# Altium PCB PCB_v4.PcbDoc (part 5 of 7) (continued)
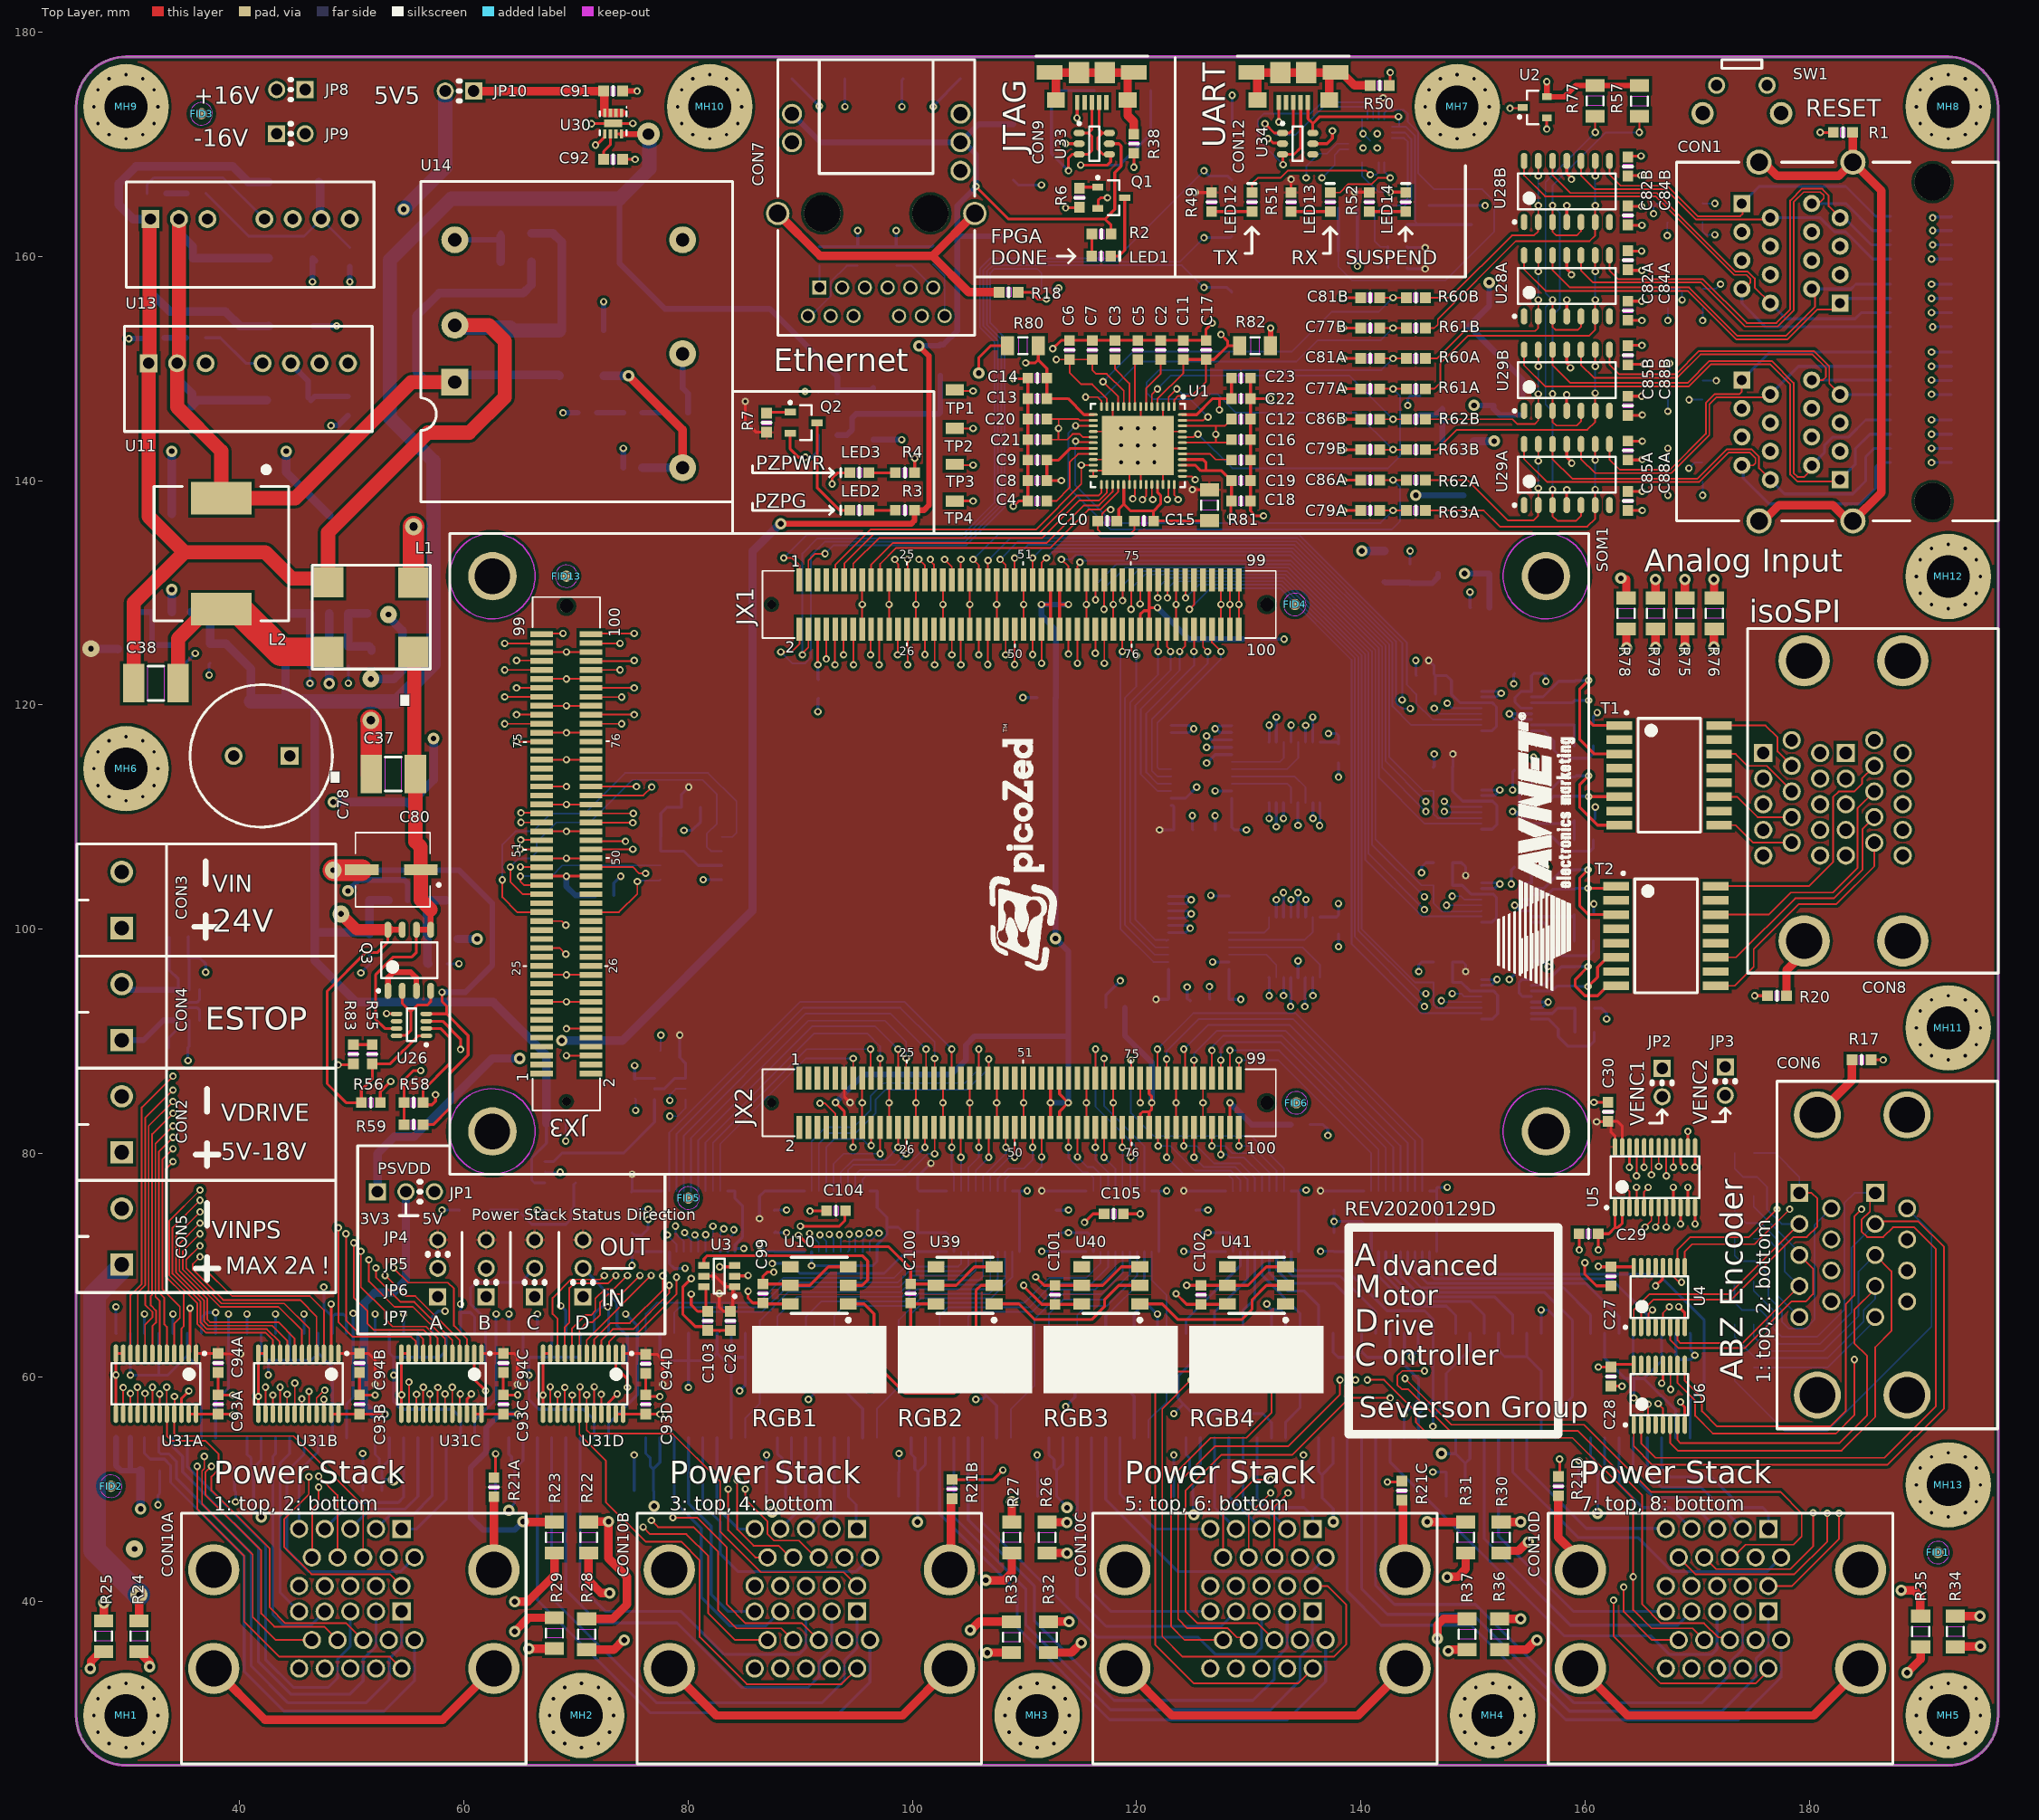
[diagram p0: Top Layer view]
## Nets (pads, with @x,y where several pads share a name; then routed paths per layer and width w, separated by ;. In a path a pad name is that pad's centre, name@x,y a point inside that pad or via, vN(x,y) a via of type N, cw(c..) or ccw(c..) an arc to the next point about the centre after c; other vN are vias at no path point) (continued)
LV_INV2_PWM5: SOM1.JX2-19 U24F.8 | length 27.3
  Top Layer w0.152: SOM1.JX2-19@97.118,86.696 v1(97.118,88.454)
  Bottom Layer w0.152: U24F.8@81.552,76.614 81.552,80.971 91.258,90.678 95.972,90.678 97.118,89.532 v1(97.118,88.454)
LV_INV2_PWM6: SOM1.JX2-35 U24F.3 | length 39.6
  Top Layer w0.152: v1(103.505,89.281) 103.505,86.709 SOM1.JX2-35@103.518,86.696
  Bottom Layer w0.152: U24F.3@78.302,76.614 78.302,81.804 90.006,93.508 99.278,93.508 v1(103.505,89.281)
LV_INV3_PWM1: SOM1.JX2-56 U24D.10 | length 8.3
  Top Layer w0.152: v1(111.518,79.665) SOM1.JX2-56@111.518,82.296
  Bottom Layer w0.152: U24D.10@108.252,76.614 108.269,76.632 108.269,77.643 108.76,78.133 110.871,78.133 111.518,78.78 v1(111.518,79.665)
LV_INV3_PWM2: SOM1.JX2-54 U24D.9 | length 7.8
  Top Layer w0.152: v1(110.718,80.518) SOM1.JX2-54@110.718,82.296
  Bottom Layer w0.152: U24D.9@107.602,76.614 107.602,77.683 108.544,78.625 109.933,78.625 110.718,79.411 v1(110.718,80.518)
LV_INV3_PWM3: SOM1.JX2-50 U24D.8 | length 6.9
  Top Layer w0.152: v1(109.118,79.629) SOM1.JX2-50@109.118,82.296
  Bottom Layer w0.152: U24D.8@106.952,76.614 106.952,77.937 108.644,79.629 v1(109.118,79.629)
LV_INV3_PWM4: SOM1.JX2-48 U24D.7 | length 6.5
  Top Layer w0.152: SOM1.JX2-48@108.318,82.296 108.318,80.531 v1(108.331,80.518)
  Bottom Layer w0.152: U24D.7@106.302,76.614 106.302,77.933 108.331,79.962 v1(108.331,80.518)
LV_INV3_PWM5: SOM1.JX2-44 U24D.6 | length 6.2
  Top Layer w0.152: SOM1.JX2-44@106.718,82.296 106.807,82.207 v1(106.807,79.629)
  Bottom Layer w0.152: U24D.6@105.652,76.614 105.652,78.474 v1(106.807,79.629)
LV_INV3_PWM6: SOM1.JX2-42 U24D.5 | length 6.1
  Top Layer w0.152: v1(105.918,80.518) SOM1.JX2-42@105.918,82.296
  Bottom Layer w0.152: U24D.5@105.002,76.614 105.002,78.727 105.918,79.643 v1(105.918,80.518)
LV_INV4_PWM1: SOM1.JX2-26 U24E.8 | length 10.1
  Top Layer w0.152: v1(99.441,79.949) 99.441,82.219 SOM1.JX2-26@99.518,82.296
  Bottom Layer w0.152: U24E.8@94.252,76.614 94.252,78.501 94.705,78.954 98.446,78.954 v1(99.441,79.949)
LV_INV4_PWM2: SOM1.JX2-30 U24E.9 | length 10.5
  Top Layer w0.152: v1(101.118,80.518) SOM1.JX2-30@101.118,82.296
  Bottom Layer w0.152: U24E.9@94.902,76.614 94.902,78.083 95.32,78.501 99.101,78.501 v1(101.118,80.518)
LV_INV4_PWM3: SOM1.JX2-32 U24E.10 | length 10.8
  Top Layer w0.152: SOM1.JX2-32@101.918,82.296 101.981,82.233 v1(101.981,79.949)
  Bottom Layer w0.152: U24E.10@95.552,76.614 95.552,77.667 95.863,77.978 99.408,77.978 101.379,79.949 v1(101.981,79.949)
LV_INV4_PWM4: SOM1.JX2-36 U24D.3 | length 5.8
  Top Layer w0.152: v1(103.505,80.518) 103.518,80.531 SOM1.JX2-36@103.518,82.296
  Bottom Layer w0.152: v1(103.505,80.518) 103.505,78.454 103.702,78.258 U24D.3@103.702,76.614
LV_INV4_PWM5: SOM1.JX2-38 U24D.4 | length 5.7
  Top Layer w0.152: v1(104.318,79.629) SOM1.JX2-38@104.318,82.296
  Bottom Layer w0.152: v1(104.318,79.629) 104.335,79.612 104.335,76.631 U24D.4@104.352,76.614
LV_INV4_PWM6: SOM1.JX2-24 U24E.7 | length 9.5
  Top Layer w0.152: v1(98.718,80.518) SOM1.JX2-24@98.718,82.296
  Bottom Layer w0.152: U24E.7@93.602,76.614 93.602,78.282 94.723,79.403 97.603,79.403 v1(98.718,80.518)
LV_INV5_PWM1: SOM1.JX2-88 U24B.6 | length 10.4
  Top Layer w0.152: v1(124.206,80.645) 124.206,82.184 SOM1.JX2-88@124.318,82.296
  Bottom Layer w0.152: v1(124.206,80.645) 125.349,80.645 126.899,79.096 129.236,79.096 130.544,77.788 U24B.6@130.544,76.614
LV_INV5_PWM2: SOM1.JX2-90 U24B.5 | length 9.3
  Top Layer w0.152: v1(125.118,79.629) SOM1.JX2-90@125.118,82.296
  Bottom Layer w0.152: v1(125.118,79.629) 125.986,78.761 128.809,78.761 129.894,77.676 U24B.5@129.894,76.614
LV_INV5_PWM3: SOM1.JX2-82 U24B.4 | length 11.2
  Top Layer w0.152: v1(121.918,80.645) SOM1.JX2-82@121.918,82.296
  Bottom Layer w0.152: v1(121.918,80.645) 123.005,80.645 125.212,78.438 128.41,78.438 129.244,77.605 U24B.4@129.244,76.614
LV_INV5_PWM4: SOM1.JX2-84 U24B.3 | length 10.4
  Top Layer w0.152: v1(122.682,79.629) 122.718,79.665 SOM1.JX2-84@122.718,82.296
  Bottom Layer w0.152: v1(122.682,79.629) 124.178,78.133 128.089,78.133 128.58,77.643 128.58,76.628 U24B.3@128.594,76.614
LV_INV5_PWM5: SOM1.JX2-69 U24C.10 | length 15.1
  Top Layer w0.152: v1(117.094,88.454) 117.118,88.43 SOM1.JX2-69@117.118,86.696
  Bottom Layer w0.152: v1(117.094,88.454) 117.094,84.22 120.698,80.616 U24C.10@120.698,76.614
LV_INV5_PWM6: SOM1.JX2-67 U24C.9 | length 16.8
  Top Layer w0.152: SOM1.JX2-67@116.318,86.696 116.332,86.71 v1(116.332,89.281)
  Bottom Layer w0.152: v1(116.332,89.281) 116.332,84.154 120.048,80.439 U24C.9@120.048,76.614
LV_INV6_PWM1: SOM1.JX2-64 U24C.4 | length 6.8
  Top Layer w0.152: v1(114.718,79.665) SOM1.JX2-64@114.718,82.296
  Bottom Layer w0.152: v1(114.718,79.665) 115.622,78.761 116.137,78.761 116.798,78.1 U24C.4@116.798,76.614
LV_INV6_PWM2: SOM1.JX2-68 U24C.5 | length 6.1
  Top Layer w0.152: v1@116.318,80.518 SOM1.JX2-68@116.318,82.296
  Bottom Layer w0.152: v1(116.318,80.518) 116.318,79.434 117.448,78.304 U24C.5@117.448,76.614
LV_INV6_PWM3: SOM1.JX2-70 U24C.6 | length 6.1
  Top Layer w0.152: v1(117.094,79.629) 117.094,82.272 SOM1.JX2-70@117.118,82.296
  Bottom Layer w0.152: v1(117.094,79.629) 118.098,78.625 U24C.6@118.098,76.614
LV_INV6_PWM4: SOM1.JX2-74 U24C.7 | length 5.7
  Top Layer w0.152: v1(118.718,80.518) SOM1.JX2-74@118.718,82.296
  Bottom Layer w0.152: v1(118.718,80.518) 118.733,80.503 118.733,76.629 U24C.7@118.748,76.614
LV_INV6_PWM5: SOM1.JX2-76 U24C.8 | length 5.7
  Top Layer w0.152: v1(119.485,79.629) 119.485,82.263 SOM1.JX2-76@119.518,82.296
  Bottom Layer w0.152: U24C.8@119.398,76.614 119.441,76.658 119.441,79.585 v1(119.485,79.629)
LV_INV6_PWM6: SOM1.JX2-62 U24C.3 | length 6.7
  Top Layer w0.152: v1@113.903,80.645 113.903,82.281 SOM1.JX2-62@113.918,82.296
  Bottom Layer w0.152: v1(113.919,80.518) 113.919,79.578 115.193,78.304 115.644,78.304 116.148,77.8 U24C.3@116.148,76.614
LV_INV7_PWM1: SOM1.JX2-81 U24A.10 | length 36.8
  Top Layer w0.152: v1(121.856,89.281) 121.856,86.758 SOM1.JX2-81@121.918,86.696
  Bottom Layer w0.152: v1(121.856,89.281) 125.051,92.476 134.198,92.476 145.479,81.195 U24A.10@145.479,76.614
LV_INV7_PWM2: SOM1.JX2-83 U24A.9 | length 34.8
  Top Layer w0.152: v1(122.682,88.391) 122.682,86.732 SOM1.JX2-83@122.718,86.696
  Bottom Layer w0.152: v1(122.682,88.391) 122.682,89.111 125.547,91.976 133.961,91.976 144.829,81.108 U24A.9@144.829,76.614
LV_INV7_PWM3: SOM1.JX2-87 U24A.8 | length 32.2
  Top Layer w0.152: v1(124.206,89.281) 124.318,89.169 SOM1.JX2-87@124.318,86.696
  Bottom Layer w0.152: v1(124.206,89.281) 126.365,91.44 133.665,91.44 144.179,80.926 U24A.8@144.179,76.614
LV_INV7_PWM4: SOM1.JX2-89 U24A.7 | length 29.8
  Top Layer w0.152: SOM1.JX2-89@125.118,86.696 v1(125.118,88.306)
  Bottom Layer w0.152: v1(125.118,88.306) 125.118,88.898 127.152,90.932 133.254,90.932 143.529,80.657 U24A.7@143.529,76.614
LV_INV7_PWM5: SOM1.JX2-93 U24A.6 | length 27.4
  Top Layer w0.152: SOM1.JX2-93@126.718,86.696 v1(126.718,89.169)
  Bottom Layer w0.152: v1(126.718,89.169) 126.718,89.468 127.725,90.475 132.955,90.475 142.879,80.55 U24A.6@142.879,76.614
LV_INV7_PWM6: SOM1.JX2-95 U24A.5 | length 25.4
  Top Layer w0.152: v1(127.508,88.306) 127.508,86.706 SOM1.JX2-95@127.518,86.696
  Bottom Layer w0.152: v1(127.508,88.306) 127.508,89.368 128.056,89.916 132.808,89.916 142.229,80.495 U24A.5@142.229,76.614
LV_INV8_PWM1: SOM1.JX2-94 U24B.8 | length 9.4
  Top Layer w0.152: v1(126.718,80.645) SOM1.JX2-94@126.718,82.296
  Bottom Layer w0.152: v1(126.718,80.645) 127.914,80.645 128.561,79.998 130.097,79.998 131.844,78.252 U24B.8@131.844,76.614
LV_INV8_PWM2: SOM1.JX2-100 U24B.9 | length 7.8
  Top Layer w0.152: v1(129.118,80.645) SOM1.JX2-100@129.118,82.296
  Bottom Layer w0.152: v1(129.118,80.645) 130.283,80.645 132.494,78.434 U24B.9@132.494,76.614
LV_INV8_PWM3: SOM1.JX2-75 U24B.10 | length 24.1
  Top Layer w0.152: v1(119.485,88.306) 119.518,88.273 SOM1.JX2-75@119.518,86.696
  Bottom Layer w0.152: v1(119.485,88.306) 119.485,83.582 121.533,81.534 130.224,81.534 133.144,78.614 U24B.10@133.144,76.614
LV_INV8_PWM4: SOM1.JX2-99 U24A.3 | length 20.2
  Top Layer w0.152: SOM1.JX2-99@129.118,86.696 v1(129.118,88.306)
  Bottom Layer w0.152: v1(129.118,88.306) 132.622,88.306 140.929,79.998 U24A.3@140.929,76.614
LV_INV8_PWM5: SOM1.JX2-97 U24A.4 | length 23.1
  Top Layer w0.152: SOM1.JX2-97@128.318,86.696 v1(128.318,89.169)
  Bottom Layer w0.152: v1(128.318,89.169) 132.718,89.169 141.579,80.308 U24A.4@141.579,76.614
LV_INV8_PWM6: SOM1.JX2-96 U24B.7 | length 8.3
  Top Layer w0.152: v1(127.508,79.883) 127.508,82.286 SOM1.JX2-96@127.518,82.296
  Bottom Layer w0.152: v1(127.508,79.883) 128.038,79.883 128.292,79.629 129.565,79.629 131.194,78 U24B.7@131.194,76.614
LV_INV_STS_A1: SOM1.JX1-30 U31A.3 | length 116
  Top Layer w0.152: v1(34.036,79.248) 33.39,78.602 33.39,68.993 34.995,67.388 34.995,64.565 34.795,64.365 U31A.3@34.795,62.136 ; v1(101.118,124.486) SOM1.JX1-30@101.118,126.746
  Int2 (Sign) w0.152: v1(34.036,79.248) 43.18,79.248 55.523,91.591 55.523,92.9 58.127,95.504 59.934,95.504 62.738,98.308 62.748,98.308 63.002,98.562 90.561,98.562 101.118,109.119 v1(101.118,124.486)
LV_INV_STS_A2: SOM1.JX1-26 U31A.4 | length 115.4
  Top Layer w0.152: v1(34.036,80.391) 33.085,79.44 33.085,67.876 34.653,66.308 34.653,65.29 34.145,64.781 U31A.4@34.145,62.136 ; SOM1.JX1-26@99.518,126.746 99.568,126.696 v1(99.568,123.571)
  Int2 (Sign) w0.152: v1(34.036,80.391) 43.434,80.391 54.816,91.773 54.816,93.237 59.369,97.79 61.417,97.79 62.738,99.111 89.459,99.111 99.568,109.22 v1(99.568,123.571)
LV_INV_STS_A3: SOM1.JX1-24 U31A.5 | length 114.9
  Top Layer w0.152: U31A.5@33.495,62.136 33.495,64.513 33.274,64.733 33.274,67.08 32.78,67.573 32.78,80.151 v1(34.036,81.407) ; v1(98.679,124.46) 98.679,126.707 SOM1.JX1-24@98.718,126.746
  Int2 (Sign) w0.152: v1(34.036,81.407) 42.037,81.407 47.498,86.868 48.923,86.868 54.054,91.999 54.054,93.457 61.054,100.457 67.437,100.457 68.326,99.568 69.936,99.568 70.825,100.457 89.129,100.457 98.679,110.007 v1(98.679,124.46)
LV_INV_STS_A4: SOM1.JX1-20 U31A.6 | length 112.3
  Top Layer w0.152: U31A.6@32.845,62.136 32.845,66.837 32.475,67.207 32.475,80.862 v1(34.036,82.423) ; v1(97.028,123.571) 97.028,126.656 SOM1.JX1-20@97.118,126.746
  Int2 (Sign) w0.152: v1(34.036,82.423) 42.154,82.423 60.823,101.092 88.1,101.092 97.028,110.02 v1(97.028,123.571)
LV_INV_STS_A5: SOM1.JX1-18 U31A.7 | length 111.9
  Top Layer w0.152: U31A.7@32.195,62.136 32.195,64.563 32.52,64.888 32.52,65.965 32.058,66.427 32.058,67.263 32.171,67.376 32.171,81.701 v1(34.036,83.566) ; v1(96.266,124.46) 96.266,126.694 SOM1.JX1-18@96.318,126.746
  Int2 (Sign) w0.152: v1(34.036,83.566) 42.383,83.566 60.544,101.727 86.937,101.727 96.266,111.056 v1(96.266,124.46)
LV_INV_STS_A6: SOM1.JX1-14 U31A.8 | length 111.2
  Top Layer w0.152: U31A.8@31.545,62.136 31.545,64.71 32.195,65.36 32.195,65.849 31.559,66.485 31.559,67.467 31.866,67.773 31.866,82.44 v1(34.036,84.61) ; SOM1.JX1-14@94.718,126.746 94.742,126.722 v1(94.742,123.571)
  Int2 (Sign) w0.152: v1(34.036,84.61) 42.446,84.61 60.198,102.362 85.76,102.362 94.742,111.344 v1(94.742,123.571)
LV_INV_STS_A7: SOM1.JX1-12 U31A.9 | length 110.2
  Top Layer w0.152: U31A.9@30.895,62.136 30.895,67.547 31.561,68.214 31.561,83.155 v1(34.036,85.63) ; v1(93.853,124.46) 93.853,126.681 SOM1.JX1-12@93.918,126.746
  Int2 (Sign) w0.152: v1(34.036,85.63) 42.529,85.63 60.023,103.124 84.745,103.124 93.853,112.232 v1(93.853,124.46)
LV_INV_STS_A8: SOM1.JX1-10 U31A.10 | length 109.7
  Top Layer w0.152: U31A.10@30.245,62.136 30.245,67.329 31.256,68.34 31.256,84.088 v1(34.036,86.868) ; v1(93.091,123.571) 93.091,126.719 SOM1.JX1-10@93.118,126.746
  Int2 (Sign) w0.152: v1(34.036,86.868) 42.76,86.868 59.547,103.654 83.402,103.654 93.091,113.344 v1(93.091,123.571)
LV_INV_STS_B1: SOM1.JX3-99 U31B.3 | length 91.6
  Top Layer w0.152: v1(36.845,69.723) 39.305,67.263 46.243,67.263 47.495,66.012 U31B.3@47.495,62.136 ; SOM1.JX3-99@66.932,126.308 66.989,126.365 v1(68.834,126.365)
  Int3 (Sign) w0.152: v1(36.845,69.723) 36.845,70.119 37.846,71.12 37.846,80.487 58.718,101.359 58.718,122.555 62.528,126.365 v1(68.834,126.365)
LV_INV_STS_B2: SOM1.JX1-50 U31B.4 | length 125.7
  Top Layer w0.152: v1(36.449,70.763) 35.814,70.128 35.814,69.609 38.52,66.904 45.381,66.904 46.845,65.44 U31B.4@46.845,62.136 ; v1(109.118,123.595) SOM1.JX1-50@109.118,126.746
  Int2 (Sign) w0.152: v1(36.449,70.763) 44.093,70.763 56.515,83.185 57.912,83.185 66.889,92.162 95.591,92.162 109.118,105.689 v1(109.118,123.595)
LV_INV_STS_B3: SOM1.JX1-48 U31B.5 | length 124.8
  Top Layer w0.152: v1(36.449,71.732) 35.219,70.502 35.219,69.75 38.37,66.599 43.957,66.599 46.195,64.361 U31B.5@46.195,62.136 ; v1(108.318,124.46) SOM1.JX1-48@108.318,126.746
  Int2 (Sign) w0.152: v1(36.449,71.732) 44.046,71.732 56.134,83.82 57.785,83.82 58.344,84.379 58.344,85.184 65.869,92.71 94.361,92.71 108.318,106.667 v1(108.318,124.46)
LV_INV_STS_B4: SOM1.JX1-44 U31B.6 | length 123
  Top Layer w0.152: v1(36.449,72.81) 34.914,71.274 34.914,69.624 38.244,66.294 43.453,66.294 45.545,64.203 U31B.6@45.545,62.136 ; v1(106.718,123.595) SOM1.JX1-44@106.718,126.746
  Int2 (Sign) w0.152: v1(36.449,72.81) 44.036,72.81 65.293,94.067 93.94,94.067 106.718,106.845 v1(106.718,123.595)
LV_INV_STS_B5: SOM1.JX1-42 U31B.7 | length 122.9
  Top Layer w0.152: v1(36.449,73.763) 34.609,71.923 34.609,69.498 37.109,66.997 37.109,65.149 37.336,64.922 43.435,64.922 44.895,63.463 U31B.7@44.895,62.136 ; v1(105.918,124.46) SOM1.JX1-42@105.918,126.746
  Int2 (Sign) w0.152: v1(36.449,73.763) 43.311,73.763 64.163,94.615 92.964,94.615 105.918,107.569 v1(105.918,124.46)
LV_INV_STS_B6: SOM1.JX1-38 U31B.8 | length 121.6
  Top Layer w0.152: v1(36.449,74.763) 34.304,72.618 34.304,69.372 36.805,66.871 36.805,65.023 37.21,64.618 42.875,64.618 44.245,63.248 U31B.8@44.245,62.136 ; v1(104.318,123.571) SOM1.JX1-38@104.318,126.746
  Int2 (Sign) w0.152: v1(36.449,74.763) 42.711,74.763 63.182,95.234 91.932,95.234 104.318,107.62 v1(104.318,123.571)
LV_INV_STS_B7: SOM1.JX1-36 U31B.9 | length 120.7
  Top Layer w0.152: v1(36.449,75.799) 33.999,73.349 33.999,69.245 36.5,66.745 36.5,64.896 37.083,64.313 42.417,64.313 43.565,63.165 43.565,62.165 U31B.9@43.595,62.136 ; v1(103.518,124.46) SOM1.JX1-36@103.518,126.746
  Int2 (Sign) w0.152: v1(36.449,75.799) 41.854,75.799 62.651,96.596 91.77,96.596 103.518,108.344 v1(103.518,124.46)
LV_INV_STS_B8: SOM1.JX1-32 U31B.10 | length 120.1
  Top Layer w0.152: v1(36.449,76.708) 33.695,73.954 33.695,69.119 36.195,66.619 36.195,64.77 36.957,64.008 42.291,64.008 42.945,63.354 U31B.10@42.945,62.136 ; SOM1.JX1-32@101.918,126.746 101.981,126.683 v1(101.981,123.571)
  Int2 (Sign) w0.152: v1(36.449,76.708) 41.505,76.708 56.203,91.406 56.203,92.231 57.296,93.324 58.628,93.324 62.459,97.155 90.678,97.155 101.981,108.458 v1(101.981,123.571)
LV_INV_STS_C1: SOM1.JX3-75 U31C.3 | length 67.5
  Top Layer w0.152: v1(53.721,69.763) 55.031,68.453 58.56,68.453 59.097,67.916 59.097,64.601 60.255,63.443 U31C.3@60.255,62.136 ; v1(64.687,116.713) 66.927,116.713 SOM1.JX3-75@66.932,116.708
  Int3 (Sign) w0.152: v1(53.721,69.763) 53.721,73.214 56.134,75.627 56.134,79.715 62.528,86.109 62.528,95.927 63.416,96.816 63.416,100.681 62.738,101.359 62.738,116.116 63.335,116.713 v1(64.687,116.713)
LV_INV_STS_C2: SOM1.JX3-79 U31C.4 | length 67.7
  Top Layer w0.152: v1(52.959,69.088) 54.784,67.263 55.66,67.263 59.605,63.318 U31C.4@59.605,62.136 ; v1(63.627,118.308) SOM1.JX3-79@66.932,118.308
  Int3 (Sign) w0.152: v1(52.959,69.088) 52.959,73.406 53.825,74.272 53.825,78.257 61.974,86.406 61.974,96.264 62.865,97.155 62.865,100.412 62.23,101.047 62.23,116.911 v1(63.627,118.308)
LV_INV_STS_C3: SOM1.JX3-81 U31C.5 | length 69.3
  Top Layer w0.152: v1(52.146,69.763) 52.146,68.944 54.358,66.732 55.569,66.732 58.955,63.346 U31C.5@58.955,62.136 ; v1(64.687,119.126) 66.914,119.126 SOM1.JX3-81@66.932,119.108
  Int3 (Sign) w0.152: v1(52.146,69.763) 52.146,73.435 53.34,74.629 53.34,78.613 61.435,86.708 61.435,96.616 62.357,97.538 62.357,100.076 61.722,100.711 61.722,117.602 63.246,119.126 v1(64.687,119.126)
LV_INV_STS_C4: SOM1.JX3-85 U31C.6 | length 75.8
  Top Layer w0.152: v1(51.514,70.493) 51.514,68.567 53.787,66.294 55.442,66.294 58.305,63.431 U31C.6@58.305,62.136 ; v1(63.627,120.708) SOM1.JX3-85@66.932,120.708
  Int3 (Sign) w0.152: v1(51.514,70.493) 51.514,75.049 49.149,77.414 49.149,79.637 52.697,83.185 57.064,83.185 60.844,86.965 60.844,96.912 61.9,97.968 61.9,99.72 61.163,100.457 61.163,118.244 v1(63.627,120.708)
LV_INV_STS_C5: SOM1.JX3-87 U31C.7 | length 77.5
  Top Layer w0.152: v1(50.8,71.247) 50.8,68.066 52.959,65.907 52.959,65.211 53.629,64.541 56.617,64.541 57.655,63.503 U31C.7@57.655,62.136 ; v1(64.687,121.508) SOM1.JX3-87@66.932,121.508
  Int3 (Sign) w0.152: v1(50.8,71.247) 50.8,74.848 48.548,77.1 48.548,79.917 52.451,83.82 56.979,83.82 60.35,87.191 60.35,99.753 60.681,100.083 60.681,119.184 63.005,121.508 v1(64.687,121.508)
LV_INV_STS_C6: SOM1.JX3-91 U31C.8 | length 79.5
  Top Layer w0.152: v1(50.165,72.009) 50.165,67.132 51.387,65.91 51.387,64.781 51.932,64.237 56.365,64.237 57.005,63.597 U31C.8@57.005,62.136 ; v1(63.627,123.108) SOM1.JX3-91@66.932,123.108
  Int3 (Sign) w0.152: v1(50.165,72.009) 50.165,74.652 45.133,79.684 45.133,85.402 60.198,100.467 60.198,119.679 v1(63.627,123.108)
LV_INV_STS_C7: SOM1.JX3-93 U31C.9 | length 81.4
  Top Layer w0.152: v1(49.473,72.81) 49.473,65.102 50.644,63.932 55.829,63.932 56.355,63.406 U31C.9@56.355,62.136 ; v1(64.687,123.952) 66.888,123.952 SOM1.JX3-93@66.932,123.908
  Int3 (Sign) w0.152: v1(49.473,72.81) 49.473,74.479 44.577,79.375 44.577,85.76 59.69,100.873 59.69,120.822 62.82,123.952 v1(64.687,123.952)
LV_INV_STS_C8: SOM1.JX3-97 U31C.10 | length 82.6
  Top Layer w0.152: v1(48.795,73.349) 48.795,64.922 50.09,63.627 55.295,63.627 55.705,63.217 U31C.10@55.705,62.136 ; v1(63.627,125.476) 66.9,125.476 SOM1.JX3-97@66.932,125.508
  Int3 (Sign) w0.152: v1(48.795,73.349) 44.047,78.096 44.047,85.938 59.182,101.073 59.182,121.031 v1(63.627,125.476)
LV_INV_STS_D1: SOM1.JX3-80 U31D.3 | length 65.2
  Top Layer w0.152: SOM1.JX3-80@71.332,118.308 v1(74.06,118.308) ; U31D.3@72.895,62.136 72.933,62.174 72.933,63.165 73.7,63.932 75.463,63.932 78.952,67.42 v1(78.952,68.941)
  Int3 (Sign) w0.152: v1(74.06,118.308) 73.152,117.4 73.152,76.026 78.896,70.283 78.896,68.997 v1(78.952,68.941)
LV_INV_STS_D2: SOM1.JX3-82 U31D.4 | length 68.5
  Top Layer w0.152: SOM1.JX3-82@71.332,119.108 71.35,119.126 v1(75.184,119.126) ; U31D.4@72.245,62.136 72.245,63.287 73.27,64.313 75.082,64.313 78.308,67.539 v1(78.308,68.212)
  Int3 (Sign) w0.152: v1(75.184,119.126) 73.977,119.126 72.677,117.825 72.677,75.914 78.308,70.282 v1(78.308,68.212)
LV_INV_STS_D3: SOM1.JX3-86 U31D.5 | length 67.9
  Top Layer w0.152: SOM1.JX3-86@71.332,120.708 71.35,120.691 v1(74.062,120.691) ; U31D.5@71.595,62.136 71.595,63.357 73.084,64.846 74.79,64.846 77.724,67.78 v1(77.724,69.061)
  Int3 (Sign) w0.152: v1(74.062,120.691) 72.136,118.765 72.136,75.787 77.724,70.199 v1(77.724,69.061)
LV_INV_STS_D4: SOM1.JX3-88 U31D.6 | length 69.9
  Top Layer w0.152: U31D.6@70.945,62.136 70.945,63.341 v1(76.692,69.088) ; SOM1.JX3-88@71.332,121.508 v1(75.184,121.508)
  Int3 (Sign) w0.152: v1(75.184,121.508) 73.96,121.508 71.619,119.167 71.619,75.613 76.692,70.54 v1(76.692,69.088)
LV_INV_STS_D5: SOM1.JX3-92 U31D.7 | length 69.8
  Top Layer w0.152: U31D.7@70.295,62.136 70.295,64.216 71.001,64.922 71.481,64.922 72.143,65.584 72.143,66.695 72.885,67.437 74.041,67.437 v1(75.692,69.088) ; SOM1.JX3-92@71.332,123.108 v1(73.914,123.108)
  Int3 (Sign) w0.152: v1(73.914,123.108) 71.151,120.345 71.151,75.33 75.692,70.789 v1(75.692,69.088)
LV_INV_STS_D6: SOM1.JX3-94 U31D.8 | length 72.8
  Top Layer w0.152: U31D.8@69.645,62.136 69.645,64.375 70.829,65.56 71.332,65.56 71.711,65.939 71.711,67.027 72.544,67.86 73.341,67.86 v1(74.57,69.088) ; SOM1.JX3-94@71.332,123.908 75.14,123.908 v1(75.184,123.952)
  Int3 (Sign) w0.152: v1(74.57,69.088) 73.914,69.744 73.914,71.899 70.612,75.201 70.612,120.709 73.855,123.952 v1(75.184,123.952)
LV_INV_STS_D7: SOM1.JX3-98 U31D.9 | length 72.6
  Top Layer w0.152: U31D.9@68.995,62.136 68.995,64.501 69.401,64.908 69.401,67.983 69.803,68.385 72.841,68.385 v1(73.545,69.088) ; SOM1.JX3-98@71.332,125.508 71.364,125.476 v1(73.914,125.476)
  Int3 (Sign) w0.152: v1(73.545,69.088) 73.152,69.481 73.152,71.886 70.155,74.883 70.155,121.717 v1(73.914,125.476)
LV_INV_STS_D8: SOM1.JX3-100 U31D.10 | length 75.9
  Top Layer w0.152: U31D.10@68.345,62.136 68.345,65.211 67.895,65.661 67.895,67.096 69.538,68.74 72.169,68.74 v1(72.517,69.088) ; SOM1.JX3-100@71.332,126.308 71.389,126.365 v1(75.184,126.365)
  Int3 (Sign) w0.152: v1(72.517,69.088) 72.517,71.846 69.767,74.596 69.767,122.296 73.836,126.365 v1(75.184,126.365)
LV_SPI1_IN: SOM1.JX1-88 U31E.3 | length 17.9
  Top Layer w0.152: v1(123.84,124.749) 124.318,125.227 SOM1.JX1-88@124.318,126.746
  Bottom Layer w0.152: U31E.3@123.077,112.315 121.86,112.315 120.355,113.82 120.355,119.6 123.84,123.085 v1(123.84,124.749)
LV_SPI1_MISO: R9A.1 SOM1.JX1-41 U9A.3 | length 57.8
  Top Layer w0.152: v1(105.41,132.969) 105.918,132.461 SOM1.JX1-41@105.918,131.146
  Bottom Layer w0.152: v1(105.41,132.969) 107.62,135.179 134.468,135.179 144.106,125.54 144.106,121.783 R9A.1@144.946,120.943 144.946,120.132 146.384,118.694 U9A.3@150.771,118.694
LV_SPI1_MOSI: SOM1.JX1-49 U9A.2 | length 54.1
  Top Layer w0.152: SOM1.JX1-49@109.118,131.146 v1(109.118,133.094)
  Bottom Layer w0.152: v1(109.118,133.094) 110.288,134.264 134.089,134.264 142.821,125.532 142.821,119.862 144.489,118.193 U9A.2@150.771,118.193
LV_SPI1_NSS: SOM1.JX1-43 U9A.5 | length 55.9
  Top Layer w0.152: SOM1.JX1-43@106.718,131.146 106.739,131.167 v1(106.739,132.882)
  Int3 (Sign) w0.152: v1(143.685,120.429) 147.29,120.429 147.577,120.142 v1(147.701,120.142)
  Bottom Layer w0.152: v1(106.739,132.882) 108.731,134.874 134.341,134.874 143.685,125.531 v1(143.685,120.429) ; v1(147.701,120.142) 148.149,119.694 U9A.5@150.771,119.694
LV_SPI1_OUT: SOM1.JX1-74 U31F.3 | length 32.3
  Top Layer w0.152: v1(118.718,124.749) SOM1.JX1-74@118.718,126.746
  Bottom Layer w0.152: v1(118.718,124.749) 118.546,124.577 118.546,100.018 121.498,97.066 U31F.3@122.852,97.066
LV_SPI1_SCLK: SOM1.JX1-47 U9A.4 | length 55.2
  Top Layer w0.152: v1(107.823,132.969) 108.318,132.474 SOM1.JX1-47@108.318,131.146
  Int3 (Sign) w0.152: v1(144.42,119.662) 144.435,119.678 146.534,119.678 v1(146.55,119.694)
  Bottom Layer w0.152: v1(107.823,132.969) 109.423,134.569 134.215,134.569 143.126,125.658 143.126,120.198 143.661,119.662 v1(144.42,119.662) ; v1(146.55,119.694) 147.05,119.194 U9A.4@150.771,119.194
LV_SPI2_IN: SOM1.JX1-90 U31E.4 | length 17.2
  Top Layer w0.152: v1(125.118,124.749) SOM1.JX1-90@125.118,126.746
  Bottom Layer w0.152: U31E.4@123.077,112.965 121.86,112.965 120.855,113.97 120.855,119.237 125.118,123.5 v1(125.118,124.749)
LV_SPI2_MISO: R9B.1 SOM1.JX1-53 U9B.3 | length 59.4
  Top Layer w0.152: SOM1.JX1-53@110.718,131.146 v1(110.718,133.096)
  Bottom Layer w0.152: v1(110.718,133.096) 111.582,133.96 133.963,133.96 142.516,125.406 142.516,115.356 145.557,112.315 R9B.1@146.47,112.315 146.47,110.285 146.855,109.9 U9B.3@150.771,109.9
LV_SPI2_MOSI: SOM1.JX1-63 U9B.2 | length 54
  Top Layer w0.152: SOM1.JX1-63@114.718,131.146 114.718,132.374 114.935,132.591 v1(114.935,132.715)
  Bottom Layer w0.152: v1(114.935,132.715) 115.059,132.715 115.189,132.845 133.784,132.845 141.602,125.027 141.602,113.49 145.692,109.4 U9B.2@150.771,109.4
LV_SPI2_NSS: SOM1.JX1-55 U9B.5 | length 56.6
  Top Layer w0.152: SOM1.JX1-55@111.518,131.146 111.518,132.664 v1(111.95,133.096)
  Int3 (Sign) w0.152: v1(145.796,111.379) v1(147.447,111.379)
  Bottom Layer w0.152: v1(111.95,133.096) 112.509,133.655 133.836,133.655 142.212,125.28 142.212,114.963 v1(145.796,111.379) ; v1(147.447,111.379) 147.926,110.9 U9B.5@150.771,110.9
LV_SPI2_OUT: SOM1.JX1-76 U31F.4 | length 32
  Top Layer w0.152: SOM1.JX1-76@119.518,126.746 119.518,124.862 v1(119.98,124.399)
  Bottom Layer w0.152: v1(119.98,124.399) 119.98,121.658 118.969,120.647 118.969,100.359 121.613,97.716 U31F.4@122.852,97.716
LV_SPI2_SCLK: SOM1.JX1-61 U9B.4 | length 55.5
  Top Layer w0.152: v1(113.284,132.969) 113.918,132.335 SOM1.JX1-61@113.918,131.146
  Int3 (Sign) w0.152: v1(145.796,110.49) v1(147.447,110.49)
  Bottom Layer w0.152: v1(113.284,132.969) 114.147,132.969 114.528,133.35 133.71,133.35 141.907,125.153 141.907,114.379 v1(145.796,110.49) ; v1(147.447,110.49) 147.509,110.428 150.742,110.428 U9B.4@150.771,110.4
LV_SPI3_IN: SOM1.JX1-92 U31E.5 | length 16.8
  Top Layer w0.152: SOM1.JX1-92@125.918,126.746 125.918,125.165 v1(126.334,124.749)
  Bottom Layer w0.152: U31E.5@123.077,113.615 123.075,113.617 123.072,113.615 121.843,113.615 121.355,114.103 121.355,118.694 126.334,123.672 v1(126.334,124.749)
LV_SPI3_MISO: R9C.1 SOM1.JX1-67 U9C.3 | length 62
  Top Layer w0.152: SOM1.JX1-67@116.318,131.146 116.33,131.134 v1(116.33,129.359)
  Bottom Layer w0.152: v1(116.33,129.359) 116.33,130.65 118.221,132.54 133.658,132.54 141.297,124.901 141.297,108.016 145.415,103.899 R9C.1@146.47,103.899 146.47,102.301 147.216,101.556 150.712,101.556 U9C.3@150.771,101.615
LV_SPI3_MOSI: SOM1.JX1-75 U9C.2 | length 59.7
  Top Layer w0.152: v1(119.507,128.524) 119.507,130.91 119.63,131.034 SOM1.JX1-75@119.518,131.146
  Bottom Layer w0.152: v1(119.507,128.524) 119.507,130.38 120.753,131.626 133.279,131.626 140.383,124.522 140.383,106.213 145.481,101.115 U9C.2@150.771,101.115
LV_SPI3_NSS: SOM1.JX1-69 U9C.5 | length 61.3
  Top Layer w0.152: v1(117.094,128.524) 117.094,131.122 SOM1.JX1-69@117.118,131.146
  Int3 (Sign) w0.152: v1(145.669,102.87) 145.726,102.927 v1(148.149,102.927)
  Bottom Layer w0.152: v1(117.094,128.524) 117.094,130.363 118.967,132.236 133.531,132.236 140.992,124.775 140.992,107.547 v1(145.669,102.87) ; v1(148.149,102.927) 148.942,102.927 149.255,102.615 U9C.5@150.771,102.615
LV_SPI3_OUT: SOM1.JX1-82 U31F.5 | length 31.5
  Top Layer w0.152: v1(121.918,124.749) SOM1.JX1-82@121.918,126.746
  Bottom Layer w0.152: v1(121.918,124.749) 121.918,122.711 119.423,120.216 119.423,100.64 121.697,98.366 U31F.5@122.852,98.366